# Altium PCB MB1297 revC1.PcbDoc (part 2 of 4)
Units mm, origin at the board's own origin, x right, y up, seen from the top; angles counter-clockwise.
Board outline 90.1 x 62.11 mm, 4 copper layers (Top Layer, GND, POWER+GND, Bottom Layer), stack 0.778 mm thick; 230 components, 175 nets, 1727 pads, 1 vias.
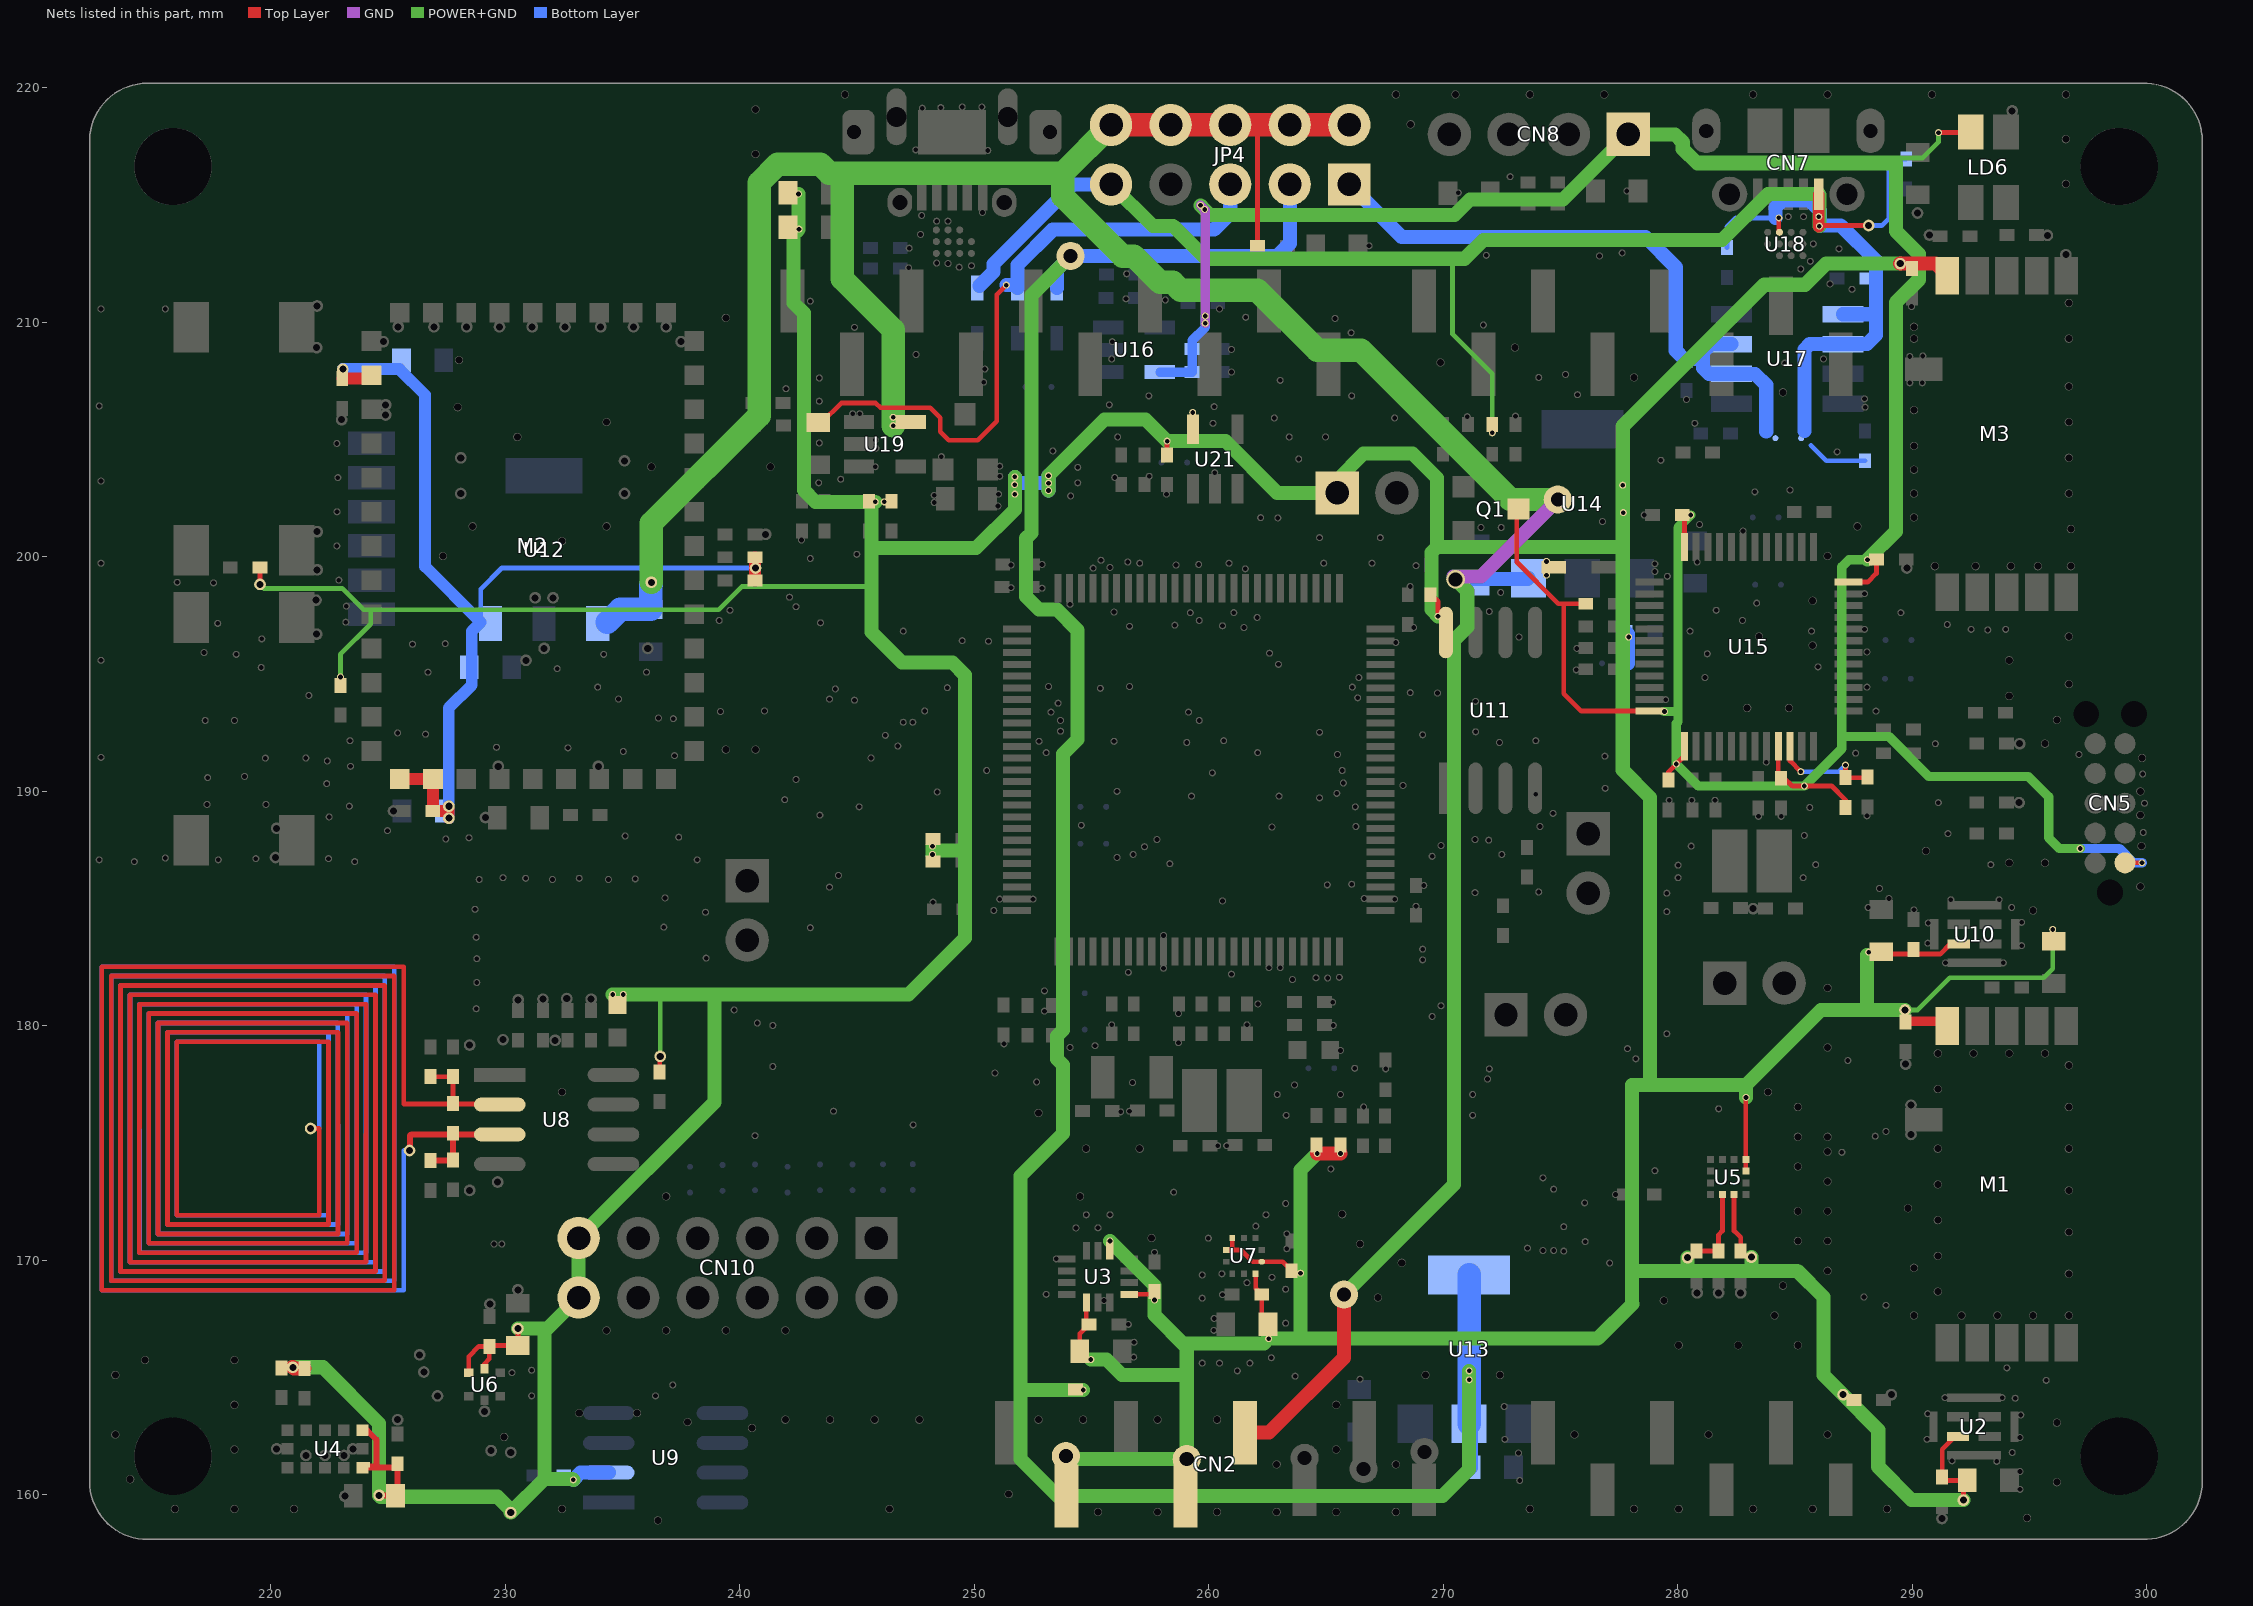
[diagram p4: the nets of this part, all layers, seen from the top]

## Free pads (board coordinates)
  round 0.3 hole 0.2 mask+0.05: 0(212.75,210.566) 0(232.893,160.63) 0(240.643,175.307) 0(247.747,214.554) 0(299.822,190.729) 1(215.494,210.566) 1(222.811,204.828) 1(247.384,175.768) 1(248.387,214.308) 1(299.847,188.239) 2(212.674,187.071) 2(222.853,203.371) 2(237.134,164.677) 2(243.992,176.352) 2(248.387,212.522) 2(299.796,186.944) 3(215.494,187.147) 3(222.818,201.914) 3(236.398,164.211) 3(279.933,191.16) 4(214.173,186.995) 4(222.809,200.457) 4(249.352,212.344) 4(285.394,190.221) 5(212.75,191.44) 5(222.894,199) 5(249.873,212.407) 5(279.476,193.904) 6(212.75,195.58) 6(223.215,197.891) 6(248.869,214.308) 6(287.96,198.425) 7(212.75,199.72) 7(223.19,197.206) 7(248.873,212.5) 7(287.96,196.901) 8(212.75,203.225) 8(247.701,213.741) 8(262.585,195.885) 8(283.769,191.237) 9(212.674,206.426) 9(255.397,199.847) 9(262.966,195.406) 9(288.087,199.873) 10(217.551,198.882) 10(255.778,199.542) 10(280.822,199.771) 11(216.002,198.907) 11(263.271,172.415) 11(278.562,201.778) 11(284.709,214.503) 12(217.729,197.155) 12(262.433,171.933) 12(280.543,201.778) 12(285.359,214.503) 13(217.297,190.576) 13(255.778,171.933) 13(282.778,201.092) 13(285.241,212.268) 14(218.872,190.627) 14(254.77,171.933) 14(284.782,202.842) 14(285.648,212.598) 15(217.195,193.015) 15(231.115,164.211) 15(275.692,196.088) 15(285.776,213.34) 16(218.44,193.015) 16(231.115,165.303) 16(275.666,195.174) 16(284.306,214.448) 17(217.145,195.91) 17(255.27,171.378) 17(286.009,214.503) 18(218.516,195.834) 18(254.33,171.374) 18(283.282,202.764) 18(286.034,214.097) 19(222.377,190.322) 19(251.358,211.582) 19(262.914,177.063) 19(289.966,210.668) 20(223.342,189.357) 20(245.11,206.096) 20(263.296,176.174) 20(286.791,204.47) 21(217.754,187.071) 21(248.285,202.616) 21(264.617,174.549) 21(292.506,196.901) 22(219.354,187.122) 22(248.285,202.311) 22(265.608,174.549) 22(293.218,196.875) 23(217.272,189.433) 23(253.06,168.541) 23(263.041,207.52) 23(293.98,196.901) 24(219.786,189.433) 24(262.056,197.409) 24(263.423,205.105) 25(222.479,188.9) 25(259.588,197.282) 25(263.83,204.165) 25(288.417,175.285) 26(222.453,187.122) 26(259.207,197.612) 27(223.571,186.995) 27(247.51,208.623) 27(253.263,193.37) 27(288.874,175.489) 28(228.879,186.233) 28(247.193,212.319) 28(253.67,193.015) 28(276.901,190.121) 29(228.752,180.721) 29(247.218,213.157) 29(259.588,193.015) 29(280.01,186.842) 30(228.778,181.839) 30(259.131,193.37) 30(263.563,181.966) 31(228.778,182.855) 31(262.077,191.643) 31(262.687,188.468) 31(293.345,186.868) 32(228.752,183.769) 32(253.06,191.643) 32(256.769,187.3) 32(285.877,186.868) 33(228.702,184.963) 33(234.569,181.331) 33(249.479,196.418) 33(274.117,188.493) 34(229.895,186.309) 34(235.026,181.331) 34(279.527,185.649) 35(230.861,186.284) 35(253.67,192.557) 35(261.214,165.278) 35(285.623,189.306) 36(232.004,186.233) 36(260.579,197.053) 36(262.09,180.924) 36(280.01,186.309) 37(233.147,186.284) 37(260.553,169.418) 37(260.629,192.151) 37(285.344,186.309) 38(234.391,186.233) 38(253.344,204.509) 38(261.62,169.037) 38(285.394,188.112) 39(235.534,186.258) 39(259.977,170.934) 39(280.568,187.655) 40(236.753,184.201) 40(261.493,196.977) 40(274.676,189.052) 41(236.804,185.445) 41(262.001,171.45) 41(279.425,193.396) 42(224.968,188.316) 42(263.906,169.443) 42(279.527,179.654) 43(227.457,187.96) 43(260.579,168.529) 43(263.652,177.47) 43(276.885,191.491) 43(277.851,179.019) 44(228.448,188.011) 44(260.223,167.513) 44(266.217,178.181) 44(278.206,178.587) 45(235.102,188.087) 45(260.21,167.005) 45(266.598,176.53) 45(281.635,197.714) 45(299.898,189.484) 46(237.388,188.036) 46(262.547,166.649) 46(267.538,178.156) 46(279.527,184.861) 46(297.104,191.567) 47(238.176,187.071) 47(252.984,181.483) 47(254.635,164.465) 47(271.348,185.674) 48(238.531,184.836) 48(254.965,165.76) 48(256.565,182.27) 49(238.557,182.88) 49(274.066,185.699) 50(239.751,180.67) 50(254.076,179.07) 50(256.807,166.497) 50(264.719,200.812) 50(283.362,198.018) 51(229.616,191.872) 51(255.143,179.146) 51(256.794,165.862) 51(264.897,199.72) 52(232.664,191.846) 52(256.565,167.259) 52(258.699,180.518) 52(271.932,187.909) 53(235.026,191.694) 53(256.083,187.173) 53(257.683,168.3) 53(272.491,187.3) 53(277.647,203.048) 54(237.211,191.516) 54(254.559,188.544) 54(257.683,170.332) 54(271.348,187.935) 54(277.673,201.879) 55(236.525,193.116) 55(255.524,168.275) 55(256.083,189.992) 55(272.44,198.476) 56(230.276,165.202) 56(237.16,193.091) 56(255.778,170.815) 57(229.845,170.688) 57(239.166,193.396) 57(243.002,184.175) 57(253.492,170.053) 57(271.704,209.88) 58(229.514,170.688) 58(240.741,180.111) 58(241.046,193.421) 58(266.09,206.858) 58(269.748,194.183) 59(236.017,195.072) 59(241.402,180.01) 59(266.827,213.258) 59(269.113,192.405) 59(289.89,208.534) 60(232.207,195.224) 60(241.402,178.257) 60(268.586,194.202) 60(290.449,208.559) 61(234.188,195.834) 61(266.624,185.42) 61(272.39,192.075) 61(289.89,207.416) 62(226.695,195.072) 62(267.919,185.395) 62(271.374,192.532) 62(290.424,207.416) 63(227.432,196.291) 63(258.14,210.947) 63(268.834,185.09) 63(271.372,193.829) 63(280.365,206.705) 64(226.035,196.266) 64(256.489,212.065) 64(269.164,185.979) 64(273.939,192.151) 64(280.721,205.689) 65(219.761,191.409) 65(256.464,210.998) 65(260.147,190.779) 65(273.939,189.865) 65(287.96,206.731) 66(221.488,191.414) 66(260.96,208.839) 66(263.042,182.474) 66(271.958,197.663) 66(287.985,206.375) 67(221.615,194.081) 67(260.96,207.874) 67(269.773,197.46) 67(284.556,208.255) 68(219.583,195.275) 68(268.732,196.977) 68(275.209,207.772) 69(219.608,196.494) 69(262.56,182.474) 69(267.97,196.342) 69(271.831,212.852) 69(286.207,208.432) 70(222.402,191.287) 70(264.566,182.042) 70(272.618,162.357) 70(276.657,212.827) 70(288.061,195.936) 71(223.393,191.059) 71(265.063,182.03) 71(272.593,163.754) 71(279.552,199.164) 71(288.061,194.437) 72(223.368,192.151) 72(265.563,182.062) 72(273.202,161.773) 72(291.118,218.084) 72(291.516,188.189) 73(225.4,192.481) 73(257.251,187.63) 73(273.253,160.604) 73(297.155,187.554) 74(226.593,192.43) 74(272.466,201.244) 74(286.868,213.131) 74(291.109,189.509) 75(255.372,194.386) 75(265.379,210.16) 75(271.602,201.244) 75(275.133,171.425) 75(290.982,192.024) 76(253.162,194.462) 76(253.162,202.819) 76(266.954,199.72) 76(275.133,170.383) 76(288.112,185.039) 77(253.162,203.454) 77(272.847,216.205) 77(274.245,170.409) 77(289.001,185.42) 78(253.162,203.136) 78(274.701,170.409) 78(290.068,184.937) 79(251.723,203.403) 79(276.047,170.79) 79(288.138,183.134) 80(251.714,203.073) 80(276.022,172.441) 80(290.678,184.379) 81(251.723,202.667) 81(266.065,209.55) 81(274.245,173.506) 81(290.659,183.515) 82(247.777,219.126) 82(274.701,173.025) 82(291.643,185.369) 83(222.961,194.869) 83(248.564,219.151) 83(257.785,187.936) 83(293.7,185.369) 84(250.317,219.177) 84(258.33,186.906) 84(294.659,184.404) 85(250.571,217.322) 85(265.049,186.004) 85(277.622,212.954) 85(294.659,183.413) 86(247.498,217.348) 86(266.09,186.03) 86(279.274,204.11) 86(291.414,182.677) 87(249.479,219.177) 87(269.519,187.223) 87(293.878,182.677) 88(250.342,214.681) 88(269.9,187.681) 88(295.986,184.099) 89(250.444,208.001) 89(269.519,180.391) 89(291.389,164.135) 90(250.393,207.442) 90(269.9,180.848) 90(293.827,164.135) 91(269.113,183.261) 91(279.019,173.812) 91(294.625,163.398) 92(269.113,182.804) 92(281.737,176.454) 92(294.589,162.433) 93(251.257,179.222) 93(253.568,193.751) 94(252.984,180.619) 94(294.259,161.798) 95(250.596,196.393) 95(256.743,177.571) 95(290.652,163.449) 96(290.627,162.357) 97(252.652,177.597) 97(254.076,197.968) 97(291.694,161.442) 98(293.599,161.417) 99(255.063,199.513) 99(294.589,160.985) 100(294.589,160.223) 101(242.113,198.272) 101(266.446,164.922) 102(242.392,197.866) 102(287.579,191.618) 103(242.392,190.5) 103(288.449,193.414) 104(241.91,189.636) 104(287.147,191.11) 105(263.271,168.758) 105(285.242,190.83) 106(243.408,188.976) 106(263.271,167.31) 106(288.061,188.951) 107(243.434,197.18) 107(262.687,169.266) 107(283.439,188.925) 108(245.085,189.332) 108(259.715,169.367) 108(284.404,188.925) 109(248.412,189.967) 109(259.715,168.377) 109(281.584,189.611) 110(244.881,209.779) 110(259.715,165.608) 110(280.594,189.611) 111(243.002,210.896) 111(260.452,165.608) 111(279.629,189.611) 112(245.77,202.336) 112(258.064,183.845) 112(261.747,165.608) 113(246.151,202.336) 113(258.064,182.448) 113(262.661,165.837) 114(242.621,200.711) 114(263.677,165.049) 115(243.002,199.923) 115(260.96,182.194) 115(265.278,181) 116(246.532,205.943) 116(260.579,185.318) 116(265.303,180.01) 117(246.532,205.588) 117(262.992,189.789) 117(265.608,178.943) 118(245.77,204.978) 118(259.258,189.789) 119(245.796,204.622) 119(259.055,192.075) 119(261.62,180.035) 120(258.597,199.644) 120(258.699,179.273) 121(245.77,203.835) 121(255.854,180.035) 121(259.563,199.669) 122(251.079,203.429) 122(260.375,174.879) 122(262.941,201.651) 123(251.079,203.86) 123(254.406,203.81) 123(260.756,174.879) 124(251.028,202.667) 124(254.406,203.149) 124(256.235,176.327) 125(251.003,202.159) 125(255.753,206.477) 125(256.616,176.352) 126(244.805,206.096) 126(260.172,205.689) 126(270.637,215.519) 127(251.562,199.644) 127(260.223,206.4) 127(277.825,215.595) 128(242.494,215.468) 128(251.562,198.679) 128(261.569,210.21) 129(242.519,213.97) 129(243.383,207.62) 129(252.882,199.669) 130(243.383,206.629) 130(247.371,192.938) 130(252.882,198.656) 131(243.383,204.851) 131(246.202,192.38) 131(262.204,201.663) 132(243.357,203.149) 132(246.736,191.922) 132(261.553,199.482) 133(244.983,200.101) 133(245.593,191.414) 133(266.243,189.332) 134(244.881,193.878) 134(266.268,188.493) 135(250.825,184.912) 135(265.735,190.348) 136(251.079,185.395) 136(265.684,190.881) 137(252.501,185.395) 137(266.395,194.843) 138(266.116,194.437) 139(266.344,193.98) 140(248.209,187.3) 140(265.455,189.906) 141(248.209,187.655) 141(265.481,191.567) 142(248.234,185.268) 143(247.879,193.421) 143(268.58,198.73) 144(241.96,207.162) 144(248.844,194.412) 145(244.2,186.406) 145(244.297,203.302) 146(243.818,185.906) 146(248.59,204.267) 147(244.069,194.361) 148(243.818,193.925) 149(239.116,197.282) 149(277.343,172.796) 150(239.573,197.714) 150(282.905,176.936) 151(271.247,176.174) 152(246.964,192.938) 152(271.247,177.063) 153(233.934,194.437) 153(265.608,177.063) 154(234.823,193.929) 155(246.964,196.825) 155(258.547,197.079) 156(250.52,190.881) 156(258.496,172.898) 157(273.583,170.51) 159(277.089,169.875) 160(291.49,197.104) 161(288.874,168.072) 162(295.707,164.871) 163(294.03,165.405) 164(287.934,168.427) 165(294.386,164.109) 166(294.234,185.039) 167(286.995,174.6) 168(288.595,185.852) 169(287.249,178.511) 171(257.438,206.858) 172(257.454,203.429) 173(258.191,202.667) 174(259.309,206.146) 175(260.248,203.581) 177(258.216,204.927) 179(257.048,199.72) 180(256.54,199.771) 181(256.108,205.105)
  round 3.3 hole 3.3 unplated mask+0.05: 0(215.819,161.64) 0(215.819,216.64) 0(298.819,161.64) 0(298.819,216.64)
  round 0.5 hole 0.3 mask+0.05: 0(225.908,174.676) 0(229.387,161.874) 0(288.138,214.122) 1(221.691,175.614) 1(230.226,161.798) 1(290.22,214.655) 2(229.337,168.123) 2(230.53,168.732) 3(229.146,188.874) 4(227.584,189.357) 4(230.226,159.233) 5(223.152,159.931) 5(227.584,188.849) 6(224.612,159.969) 6(231.648,196.088) 7(223.491,161.95) 7(231.267,198.247) 8(223.114,161.671) 8(232.029,198.247) 9(222.301,161.671) 9(228.092,204.216) 10(221.488,161.671) 10(228.092,202.692) 11(220.243,161.95) 11(235.077,204.089) 12(225.4,163.195) 12(235.077,202.692) 13(220.929,165.43) 14(227.101,164.211) 15(229.108,163.551) 15(236.22,198.907) 16(224.79,209.169) 16(230.53,167.081) 17(225.425,209.804) 17(226.517,165.227) 18(226.339,165.964) 18(226.949,209.804) 19(228.346,209.804) 20(229.743,209.804) 21(231.14,209.804) 22(232.537,209.804) 23(234.061,209.804) 24(228.473,179.172) 24(235.458,209.804) 25(228.473,172.974) 25(236.855,209.804) 26(229.667,173.33) 26(237.49,209.169) 27(230.543,181.102) 27(240.665,199.517) 28(231.597,181.127) 28(241.097,200.952) 29(232.613,181.153) 30(233.655,181.127) 31(232.118,179.375) 32(229.895,179.4) 33(236.601,178.689) 37(292.176,159.766) 39(291.262,158.979) 44(287.045,164.262) 45(289.103,164.262) 50(294.577,192.024) 51(294.551,189.509) 54(289.687,180.67) 56(289.941,176.606) 57(289.941,175.362) 58(289.712,178.359) 68(283.134,170.129) 69(280.416,170.104) 70(280.822,168.605) 71(281.737,168.605) 72(282.677,168.605) 81(289.763,199.517) 82(283.21,184.988) 83(223.063,208.001) 84(223.012,205.842) 85(224.892,206.477) 86(224.892,206.045) 87(219.532,198.819) 88(230.873,195.58) 89(236.068,196.088) 91(225.222,189.154) 92(229.692,191.059) 93(233.959,191.059) 94(220.243,188.417) 95(220.193,187.173) 96(221.92,198.145) 97(221.945,196.698) 98(221.971,201.066) 99(221.971,199.441) 100(221.971,210.693) 101(221.945,208.915) 107(294.259,219.011) 108(296.545,212.877) 109(289.484,212.496) 110(290.728,213.716) 111(295.758,213.703)
  round 1.2 hole 0.6 mask+0.05: 48(253.897,161.645) 48(254.102,212.827) 48(259.054,161.518) 48(264.083,161.568) 48(265.76,168.529) 48(266.597,161.086) 48(269.189,161.823) 48(274.879,202.438)
  round 0.8 hole 0.6 mask+0.05: 48(270.521,199.034)
  round 0.3 hole 0.2 mask-0.01: 182(271.098,165.278) 183(271.098,164.897) 184(256.616,197.028) 186(264.719,189.713) 187(264.719,192.507) 191(255.956,197.637) 192(255.956,192.126) 193(256.616,194.462) 194(252.755,192.126) 195(271.958,178.156) 196(265.201,173.888) 197(250.875,177.978) 198(261.063,197.613) 199(271.882,177.724) 202(260.858,199.72) 203(262.788,205.918) 204(267.919,205.918) 205(274.396,199.212) 206(274.396,199.796) 207(272.085,205.283) 208(259.639,214.986) 209(259.817,214.808) 210(259.842,210.261) 211(259.842,209.956) 212(254.102,202.59) 213(264.973,205.105) 215(276.784,201.498) 216(282.753,197.282) 217(280.924,201.371) 218(279.019,199.695) 219(279.019,199.365) 221(277.901,196.571) 222(280.518,196.825) 223(275.717,206.908) 224(274.066,207.645) 225(271.018,205.969) 226(273.075,205.994) 228(273.228,196.571) 229(268.276,190.245) 230(268.834,199.619) 231(260.452,210.566) 232(255.88,209.169) 233(255.854,208.432) 234(263.322,171.12) 235(263.322,170.485) 236(255.981,203.378) 237(286.487,211.633) 238(287.426,211.404) 239(281.153,194.843) 241(285.979,195.301) 244(267.31,200.812) 245(289.509,197.612) 246(285.699,196.825) 247(281.254,195.859)
  round 0.35 hole 0.3 mask-0.01: 249(296.672,207.264) 250(296.672,209.296) 251(296.672,210.82) 252(296.672,205.74) 253(296.672,204.216) 254(296.672,202.692) 255(296.759,201.179) 256(296.759,199.593) 257(295.351,199.593) 258(294.198,199.593) 259(292.699,199.593) 260(290.957,199.593) 261(290.068,201.676) 262(290.068,202.692) 263(290.068,203.708) 264(290.068,204.724) 265(290.068,206.248) 266(290.068,209.296) 267(290.068,209.804) 268(296.672,196.596) 269(296.672,194.564) 270(294.132,195.58) 271(294.132,194.056) 272(296.164,193.04) 273(295.656,192.024) 274(295.656,186.944) 275(294.132,186.944) 276(290.576,187.452) 277(295.148,184.912) 278(299.72,185.928) 279(299.72,188.976) 280(299.72,189.992) 281(299.796,191.414) 282(299.771,187.655) 283(296.672,178.308) 284(296.672,176.53) 285(296.672,174.752) 286(296.672,172.974) 287(296.672,171.196) 288(296.672,167.64) 289(296.672,169.418) 290(291.084,178.816) 291(291.084,177.292) 292(291.084,174.752) 293(291.084,173.228) 294(291.084,171.704) 295(291.084,170.18) 296(291.084,168.656) 297(292.1,167.64) 298(293.624,167.64) 299(295.148,167.64) 300(292.608,178.816) 301(294.132,178.816) 302(295.656,178.816) 303(289.814,172.212) 304(290.068,169.672) 305(290.068,167.64) 306(286.385,169.545) 307(286.385,170.815) 308(286.385,172.085) 309(286.385,173.355) 310(286.385,174.625) 311(283.845,177.165) 312(285.115,176.53) 313(286.385,175.26) 314(285.115,175.26) 315(285.115,173.99) 316(285.115,172.085) 317(285.115,170.815) 318(284.48,168.91) 319(284.124,167.64) 320(285.115,166.37) 321(286.385,179.07) 322(286.385,181.61) 327(240.665,219.075) 328(244.475,219.71) 329(240.665,217.17) 330(296.545,219.71) 331(290.83,219.71) 332(296.545,217.805) 333(296.545,215.9) 334(267.97,219.71) 335(268.605,218.44) 336(270.51,219.71) 337(273.685,219.71) 338(276.86,219.71) 339(283.21,219.71) 340(286.385,219.71) 341(273.05,208.915) 342(269.875,208.28) 343(278.13,207.645) 344(284.48,207.01) 345(287.655,201.295) 346(286.385,200.025) 347(285.75,198.12) 348(285.75,196.215) 349(281.305,162.56) 350(283.21,159.385) 351(285.75,159.385) 352(280.035,159.385) 353(278.13,159.385) 354(273.685,159.385) 355(267.97,159.258) 356(265.43,159.258) 357(262.89,159.258) 358(260.35,159.258) 359(257.81,159.258) 360(255.27,159.258) 361(275.59,162.56) 362(265.43,161.925) 363(262.89,161.29) 364(267.97,161.29) 365(269.24,165.1) 366(272.415,165.1) 367(280.035,166.37) 368(282.575,166.37) 369(279.4,168.275) 370(286.385,162.56) 371(288.925,159.385) 372(257.81,163.195) 373(260.35,163.195) 374(254.635,163.195) 375(252.73,163.195) 376(265.43,163.83) 377(251.46,160.02) 378(247.65,163.195) 379(246.38,159.385) 380(236.499,158.902) 381(232.41,159.385) 382(229.946,162.458) 383(220.98,159.385) 384(218.44,159.385) 385(215.9,159.385) 386(213.995,160.655) 387(213.36,162.56) 388(213.36,165.1) 389(214.63,165.735) 390(218.44,165.735) 391(218.44,163.83) 392(218.44,161.925) 393(233.147,163.474) 394(235.61,163.474) 395(237.769,163.093) 396(240.513,162.839) 397(241.935,163.195) 398(243.84,163.195) 399(245.745,163.195) 400(234.315,167.005) 401(236.855,167.005) 402(239.395,167.005) 403(241.935,167.005) 404(232.41,177.165) 405(236.855,172.72) 406(227.965,206.375) 407(230.505,205.105) 408(234.315,205.74) 409(241.3,203.835) 410(236.22,203.835) 411(227.33,200.025) 412(228.6,201.295) 413(232.41,200.66) 414(234.315,201.295) 415(240.665,191.77) 416(239.395,191.77) 417(228.016,208.382) 418(239.395,210.185) 420(252.73,176.276) 421(257.556,170.942) 422(257.048,174.752) 423(254.762,174.752) 424(254.508,172.72) 425(265.684,171.958) 426(266.446,170.688) 427(268.224,169.885) 428(267.208,168.402) 429(296.164,163.068) 430(296.164,160.528) 431(294.894,159.004) 432(282.956,193.548) 433(284.734,193.548) 434(283.464,196.596)

## Via types
v1: diameter 0.4, hole 0.2, Top Layer to Bottom Layer, tented both sides, 1 vias

## Nets (pads, with @x,y where several pads share a name; then routed paths per layer and width w, separated by ;. In a path a pad name is that pad's centre, name@x,y a point inside that pad or via, vN(x,y) a via of type N, cw(c..) or ccw(c..) an arc to the next point about the centre after c; other vN are vias at no path point)
3V3: C16.1 C17.2 C18.1 C19.1 C20.1 C21.1 C22.1 C24.1 C25.1 C26.1 C27.1 C28.1 C29.1 C30.1 C31.1 C33.1 C42.1 C43.1 C45.1 C46.1 C48.1 C73.1 C74.1 CN2.2 CN2.4 CN10.6 CN10.12 JP5.1 L2.2 LD4.A LD8.A LD9.A M1.5 M3.5 pad.0@232.893,160.63 pad.4@230.226,159.233 pad.6@224.612,159.969 pad.13@220.929,165.43 pad.16@230.53,167.081 pad.21@264.617,174.549 pad.22@265.608,174.549 pad.33@234.569,181.331 pad.33@236.601,178.689 pad.34@235.026,181.331 pad.37@292.176,159.766 pad.42@263.906,169.443 pad.44@287.045,164.262 pad.46@262.547,166.649 pad.48@253.897,161.645 pad.48@254.965,165.76 pad.48@259.054,161.518 pad.53@257.683,168.3 pad.53@277.647,203.048 pad.54@277.673,201.879 pad.54@289.687,180.67 pad.56@255.778,170.815 pad.67@269.773,197.46 pad.68@283.134,170.129 pad.69@280.416,170.104 pad.76@253.162,202.819 pad.77@253.162,203.454 pad.78@253.162,203.136 pad.79@251.723,203.403 pad.79@288.138,183.134 pad.80@251.714,203.073 pad.81@251.723,202.667 pad.83@222.961,194.869 pad.87@219.532,198.819 pad.88@295.986,184.099 pad.109@289.484,212.496 pad.112@245.77,202.336 pad.113@246.151,202.336 pad.128@242.494,215.468 pad.129@242.519,213.97 pad.140@248.209,187.3 pad.141@248.209,187.655 pad.150@282.905,176.936 pad.174 pad.177 pad.221 R4.1 R8.1 R9.1 R10.1 R11.1 R14.1 R15.1 R23.2 R26.2 R58.1 R62.1 R67.1 SB4.2 U2.1 U3.5 U3.8 U3.12 U4.1 U4.11 U5.5 U5.6 U5.9 U5.10 U6.1 U6.6 U7.1 U7.5 U7.6 U7.10 U9.2 U10.1 U11.8 U21.5 | length 377.1
  Top Layer w0.204: pad.87@219.532,198.819 R23.2@219.532,199.542 ; U6.1@228.433,165.194 228.433,165.886 228.867,166.319 C28.1@229.311,166.319 ; U6.6@229.108,165.369 229.108,165.583 229.311,165.786 C28.1@229.311,166.319 ; pad.16@230.53,167.081 C27.1@230.53,166.357 229.349,166.357 C28.1@229.311,166.319 ; R4.1@236.576,178.029 pad.33@236.576,178.664 ; C18.1@254.495,166.116 254.495,166.865 C19.1@254.889,167.259 254.77,167.378 U3.5@254.77,168.191 ; U3.8@256.6,168.541 257.568,168.541 C20.1@257.683,168.656 ; C73.1@258.216,204.343 pad.177@258.216,204.927 ; U7.6@260.73,170.43 260.981,170.43 ; U7.5@260.993,170.943 260.993,170.442 261.001,170.434 261.366,170.434 261.87,169.93 U7.1@262.256,169.93 263.14,169.93 C31.1@263.525,169.545 ; U7.10@261.993,169.417 261.993,168.791 C29.1@262.255,168.529 262.255,167.526 C30.1@262.522,167.259 ; C48.1@269.469,198.399 269.773,198.095 pad.67@269.773,197.46 ; U11.8@270.104,195.871 270.104,197.409 U11.8@270.154,197.46 ; C24.1@280.797,170.383 C25.1@281.737,170.383 281.737,171.086 281.897,171.247 U5.5@281.897,172.795 ; U5.6@282.397,172.795 282.397,171.247 282.677,170.967 C26.1@282.677,170.383 ; U5.9@282.897,173.795 U5.10@282.897,174.295 282.897,176.928 pad.150@282.905,176.936 ; C46.1@288.671,183.147 288.765,183.052 291.193,183.052 291.622,183.481 U10.1@291.984,183.481 ; C43.1@289.712,180.162 C43.1@289.738,180.188 ; M1.5@291.186,180.188 291.389,179.984 M1.5@291.49,179.984 ; U2.1@291.95,162.477 291.812,162.477 291.271,161.937 291.271,160.766 C17.2@291.262,160.757 291.414,160.604 292.189,160.604 292.176,160.592 pad.37@292.176,159.766
  Top Layer w0.254: U4.11@223.901,162.75 224.092,162.75 224.501,162.341 224.501,161.198 223.949,161.198 U4.1@223.901,161.15 225.235,161.15 C22.1@225.4,161.315 225.4,160.033 C21.1@225.311,159.944 ; pad.6@224.612,159.969 C21.1@225.285,159.969
  Top Layer w0.4: C43.1@289.738,180.188 M1.5@291.186,180.188
  Top Layer w0.6: pad.13@220.929,165.43 220.98,165.379 R14.1@221.437,165.379 ; pad.21@264.617,174.549 pad.22@265.608,174.549 ; pad.109@289.484,212.496 290.982,212.496 M3.5@291.49,211.988
  POWER+GND w0.204: pad.87@219.532,198.819 219.705,198.646 223.041,198.646 223.948,197.739 224.257,197.739 ; pad.83@222.961,194.869 222.961,195.834 224.257,197.129 224.257,197.739 ; 236.576,181.305 236.601,181.28 pad.33@236.601,178.689 ; 245.61,198.755 245.585,198.73 240.088,198.73 239.098,197.739 224.257,197.739 ; 245.72,200.363 pad.112@245.72,202.286 ; 259.232,204.927 259.309,205.003 pad.174@259.309,206.146 ; pad.54@289.687,180.67 290.22,180.67 291.592,182.042 295.605,182.042 295.986,182.423 pad.88@295.986,184.099
  POWER+GND w0.6: pad.13@220.929,165.43 222.221,165.43 224.612,163.039 pad.6@224.612,159.969 224.671,159.91 229.663,159.91 230.226,159.347 pad.4@230.226,159.233 231.667,160.674 ; pad.16@230.53,167.081 231.8,167.081 ; pad.0@232.893,160.63 232.849,160.674 231.667,160.674 ; pad.33@234.569,181.331 pad.34@235.026,181.331 238.912,181.331 ; pad.128@242.494,215.468 242.494,213.944 242.291,213.741 242.291,210.827 242.722,210.395 242.722,202.844 243.23,202.336 pad.112@245.77,202.336 245.72,202.286 245.61,202.176 245.61,198.755 245.61,196.782 246.913,195.478 249.072,195.478 249.606,194.945 249.606,187.477 ; 245.72,200.363 250.071,200.363 251.723,202.015 pad.81@251.723,202.667 pad.79@251.723,203.403 ; pad.140@248.209,187.3 pad.141@248.209,187.655 248.387,187.477 249.606,187.477 ; pad.76@253.162,202.819 pad.78@253.162,203.136 pad.77@253.162,203.454 255.549,205.842 257.302,205.842 pad.177@258.216,204.927 259.232,204.927 260.706,204.927 262.915,202.717 JP5.1@265.477,202.717 265.477,203.272 266.598,204.394 268.681,204.394 269.723,203.352 269.723,200.41 ; pad.48@253.897,161.645 254.024,161.518 pad.48@259.054,161.518 259.054,165.1 ; pad.48@254.965,165.76 255.626,165.76 256.286,165.1 259.054,165.1 ; pad.56@255.778,170.815 257.683,168.91 pad.53@257.683,168.3 257.683,167.652 259.054,166.281 ; 264.033,166.649 276.581,166.649 278.066,168.135 ; pad.21@264.617,174.549 263.906,173.838 pad.42@263.906,169.443 263.906,166.649 pad.46@262.547,166.649 262.351,166.453 259.054,166.453 259.054,165.1 ; pad.67@269.773,197.46 269.494,197.739 269.494,200.182 269.723,200.41 ; 278.046,168.156 278.046,177.462 278.816,177.462 ; 278.097,169.545 283.134,169.545 ; 280.416,169.596 pad.69@280.416,170.104 ; pad.150@282.905,176.936 282.897,177.462 ; pad.68@283.134,170.129 283.134,169.545 ; pad.79@288.061,183.007 288.061,180.67 ; pad.109@289.484,212.496 286.327,212.496 285.428,211.597 283.683,211.597 277.647,205.562 pad.53@277.647,203.048 277.647,200.41 ; pad.54@289.687,180.67 288.061,180.67 ; pad.37@292.176,159.766 289.966,159.766 288.544,161.188 288.544,162.763 pad.44@287.045,164.262 286.207,165.1 286.207,168.427 285.09,169.545 283.134,169.545 ; 231.667,160.674 231.667,166.947 231.8,167.081 ; 231.8,167.081 CN10.12@233.121,168.402 CN10.6@233.121,170.942 238.912,176.733 238.912,181.331 ; 238.912,181.331 247.193,181.331 249.606,183.744 249.606,187.477 ; 269.723,200.41 277.647,200.41 ; 277.647,200.41 277.647,190.906 278.816,189.738 278.816,177.462 ; 278.816,177.462 282.897,177.462 ; 282.897,177.462 286.106,180.67 288.061,180.67
  Bottom Layer w0.6: pad.0@232.893,160.63 233.197,160.934 U9.2@234.405,160.934 ; pad.81@251.723,202.667 pad.79@251.723,203.403 ; pad.80@251.787,203.136 pad.78@253.162,203.136 ; pad.76@253.162,202.819 pad.78@253.162,203.136 ; pad.77@253.162,203.454 pad.78@253.162,203.136 ; C42.1@277.749,196.825 277.866,196.707 SB4.2@277.866,195.453
3V3_ST_LINK: C55.1 C59.1 C60.1 C61.1 C62.1 C63.1 CN5.1 CN8.1 LD6.4 pad.2@299.796,186.944 pad.3@279.933,191.16 pad.4@285.394,190.221 pad.9@288.087,199.873 pad.12@280.543,201.778 pad.41@279.425,193.396 pad.72@291.118,218.084 pad.73@297.155,187.554 pad.208 pad.209 pad.210 pad.211 Q1.3 R30.1 R40.2 U15.1 U15.9 U15.24 U15.36 U15.48 U16.5 | length 140.3
  Top Layer w0.204: Q1.3@273.202,202.032 273.124,201.954 273.124,199.773 274.904,197.993 275.133,197.993 ; R30.1@276.073,197.993 275.133,197.993 ; U15.48@278.782,193.414 275.876,193.414 275.133,194.158 275.133,197.993 ; C60.1@279.603,190.475 279.603,190.83 280.282,191.509 U15.1@280.282,191.914 ; U15.36@280.282,200.414 C63.1@280.282,201.683 ; U15.9@284.282,191.914 284.282,190.66 C61.1@284.391,190.551 284.543,190.551 284.874,190.221 pad.4@285.394,190.221 286.563,190.221 287.147,189.636 R40.2@287.147,189.306 ; U15.24@287.282,198.914 288.094,198.914 288.468,199.288 C62.1@288.468,199.873 ; pad.72@291.118,218.084 LD6.4@292.52,218.084 ; CN5.1@299.068,186.944 pad.2@299.796,186.944
  GND w0.4: pad.208@259.639,214.986 pad.209@259.817,214.808 259.842,214.782 pad.210@259.842,210.261 pad.211@259.842,209.956
  POWER+GND w0.204: 280.876,217.004 290.436,217.004 291.118,217.686 pad.72@291.118,218.084
  POWER+GND w0.4: pad.41@279.425,193.396 280.004,193.396 ; 279.933,192.888 pad.3@279.933,191.16 280.873,190.221 pad.4@285.394,190.221 286.995,191.821 286.995,192.329 ; 280.004,192.959 280.004,193.396 ; pad.12@280.543,201.778 280.004,201.239 280.004,193.396 ; pad.9@288.087,199.873 287.299,199.873 286.995,199.568 286.995,192.329 ; pad.73@297.155,187.554 296.266,187.554 295.808,188.011 295.808,189.763 294.945,190.627 290.703,190.627 289.001,192.329 286.995,192.329
  POWER+GND w0.6: pad.208@259.639,214.986 pad.209@259.817,214.808 260.052,214.573 270.471,214.573 271.138,215.24 275.107,215.24 CN8.1@277.876,218.008 279.872,218.008 280.207,217.673 280.207,217.393 280.836,216.764 289.293,216.764 289.293,213.881 290.271,212.903 290.271,211.811 289.293,210.833 289.293,201.079 pad.9@288.087,199.873
  Bottom Layer w0.4: U16.5@257.912,207.867 259.277,207.867 C55.1@259.283,207.874 C59.1@259.283,208.864 259.283,209.22 259.842,209.779 pad.211@259.842,209.956 pad.210@259.842,210.261 ; pad.73@297.155,187.554 298.831,187.554 299.441,186.944 pad.2@299.796,186.944
3V3_WIFI: C44.1 C47.1 C50.1 C75.1 C76.1 M2.2 M2.14 M2.15 pad.4@227.584,189.357 pad.5@227.584,188.849 pad.27@240.665,199.517 pad.83@223.063,208.001 R65.2 R66.2 U12.3 | length 43.3
  Top Layer w0.5: C44.1@223.037,207.594 224.138,207.594 M2.2@224.285,207.742 ; M2.14@225.485,190.515 M2.15@226.905,190.515 C47.1@226.905,189.154 ; C47.1@226.898,189.154 C47.1@226.905,189.154 ; pad.4@227.533,189.154 C47.1@226.905,189.154 ; pad.5@227.584,188.849 pad.4@227.584,189.357 ; R66.2@240.64,198.984 R65.2@240.64,199.974
  Bottom Layer w0.204: U12.3@228.948,197.204 228.948,198.62 229.845,199.517 pad.27@240.665,199.517
  Bottom Layer w0.5: pad.83@223.063,208.001 225.476,208.001 226.568,206.908 226.568,199.584 228.948,197.204 228.562,196.818 228.562,195.504 228.562,194.526 227.584,193.548 pad.4@227.584,189.357 pad.5@227.584,188.849
5V: C40.1 C49.1 CN2.5 D2.1 JP4.2 JP4.4 JP4.6 JP4.8 JP4.10 pad.15@236.22,198.907 pad.48@265.76,168.529 pad.48@270.521,199.034 pad.48@274.879,202.438 pad.116@246.532,205.943 pad.117@246.532,205.588 pad.205 pad.206 R25.1 U12.1 U14.3 U19.5 | length 143.2
  Top Layer w0.204: R25.1@262.077,213.258 262.077,218.364 262.128,218.415
  Top Layer w0.6: CN2.5@261.545,162.642 262.566,162.642 265.76,165.837 pad.48@265.76,168.529
  Top Layer w1: JP4.10@255.829,218.415 JP4.8@258.369,218.415 JP4.6@260.909,218.415 262.128,218.415 JP4.4@263.449,218.415 JP4.2@265.989,218.415
  GND w0.6: pad.48@270.521,199.034 270.429,199.161 271.602,199.161 pad.48@274.879,202.438
  POWER+GND w0.6: pad.48@265.76,168.529 270.452,173.221 270.452,196.437 271.018,197.002 271.018,198.537 pad.48@270.476,199.079
  POWER+GND w1: pad.15@236.22,198.907 236.22,201.422 240.817,206.019 240.817,215.951 241.605,216.738 243.434,216.738 243.814,216.358 244.361,216.358 ; pad.117@246.532,205.588 pad.116@246.532,205.943 246.532,209.677 244.361,211.849 244.361,216.358 ; JP4.10@255.829,218.415 253.772,216.358 ; pad.48@274.879,202.438 272.847,202.438 266.487,208.798 264.627,208.798 262.072,211.353 258.797,211.353 258.452,211.699 257.918,211.699 256.801,212.817 256.321,212.817 253.772,215.366 253.772,216.358 ; 244.361,216.358 253.772,216.358
  Bottom Layer w0.6: pad.48@270.521,199.034 272.202,199.057 272.212,199.047 273.586,199.047 U14.3@273.624,199.085
  Bottom Layer w1: U12.1@234.348,197.204 234.895,197.752 C49.1@236.195,197.752 236.195,198.788 pad.15@236.22,198.813
5V_ARD: C39.1 D3.1 JP4.3 pad.47@254.635,164.465 pad.48@254.102,212.827 pad.182 pad.183 R3.1 U13.2 U13.4 | length 103.6
  POWER+GND w0.6: pad.48@254.102,212.827 252.425,211.15 252.425,201.016 252.197,200.787 252.197,198.298 252.755,197.739 253.524,197.739 254.4,196.864 254.4,192.202 253.778,191.58 253.778,179.807 253.524,179.553 253.524,178.581 253.778,178.327 253.778,175.394 251.968,173.584 251.968,164.389 ; pad.47@254.635,164.465 252.044,164.465 251.968,164.389 ; pad.182@271.098,165.278 271.098,161.078 269.964,159.944 253.543,159.944 251.968,161.519 251.968,164.389
  Bottom Layer w0.6: D3.1@253.517,211.458 253.517,212.242 pad.48@254.102,212.827 262.915,212.827 263.449,213.36 JP4.3@263.449,215.875 ; C39.1@271.183,161.163 U13.2@271.183,162.933
  Bottom Layer w1: U13.2@271.098,163.017 U13.4@271.098,169.367
5V_ST_LINK: C65.1 JP4.1 SB11.1 U17.6 U17.7 | length 27.3
  Bottom Layer w0.6: JP4.1@265.989,215.875 268.224,213.639 278.613,213.639 279.908,212.344 279.908,208.788 280.264,208.432 281.076,208.432 ; U17.7@282.283,209.067 281.407,209.067 281.076,208.737 281.076,208.432 ; 283.769,205.334 283.769,207.315 283.286,207.797 U17.6@282.283,207.797 281.33,207.797 281.076,208.051 281.076,208.432
5V_USB_CHARGER: C64.1 CN7.1 D4.1 JP4.9 pad.0@288.138,214.122 pad.16@284.306,214.448 pad.17@286.009,214.503 pad.18@286.034,214.097 pad.207 R48.1 R49.2 R51.2 R52.2 SB11.2 U17.1 U17.2 U18.B3 | length 81.2
  Top Layer w0.204: U18.B3@284.306,213.835 pad.16@284.306,214.448 ; pad.18@286.009,214.071 pad.18@286.034,214.097 286.059,214.122 pad.0@288.138,214.122
  Top Layer w0.5: pad.18@286.009,214.071 pad.17@286.009,214.503 CN7.1@286.009,215.458
  POWER+GND w0.204: 270.383,212.706 270.383,209.499 272.085,207.797 pad.207@272.085,205.283
  POWER+GND w0.6: JP4.9@255.829,215.875 257.607,214.097 258.477,214.097 259.867,212.706 270.383,212.706 270.905,212.706 271.704,213.506 281.885,213.506 283.838,215.458 286.009,215.458 286.034,215.433 pad.18@286.034,214.097
  Bottom Layer w0.204: R49.2@282.092,213.182 282.092,214.073 282.468,214.448 pad.16@284.157,214.448 ; 285.674,204.749 286.334,204.089 R51.2@287.985,204.089 ; pad.0@288.138,214.122 288.696,214.122 289.009,214.434 289.009,216.669 289.293,216.954 R52.2@289.738,216.954
  Bottom Layer w0.6: D4.1@250.218,211.554 250.815,212.151 250.815,212.486 254.203,215.875 JP4.9@255.829,215.875 ; pad.16@284.157,214.448 284.157,214.891 284.455,215.189 285.623,215.189 286.059,214.752 286.059,214.122 286.944,214.122 288.442,212.623 288.442,209.448 288.061,209.067 U17.2@287.033,209.067 285.623,209.067 285.394,208.839 285.394,205.359 ; U17.1@287.033,210.337 288.341,210.337
5V_USB_FS: D5.1 JP4.5 pad.19@251.358,211.582 R61.1 | length 28
  Top Layer w0.204: R61.1@243.332,205.727 243.497,205.727 244.323,206.553 245.796,206.553 245.999,206.35 248.107,206.35 248.539,205.918 248.539,205.334 248.907,204.966 250.139,204.966 250.952,205.779 250.952,211.176 pad.19@251.358,211.582
  Bottom Layer w0.6: pad.19@251.358,211.582 251.71,211.582 D5.1@251.835,211.457 251.835,212.44 253.34,213.944 260.223,213.944 260.909,214.63 JP4.5@260.909,215.875
AIN_1: pad.104@287.147,191.11 pad.105@285.242,190.83 R40.1 R41.1 U15.10 | length 4.8
  Top Layer w0.204: U15.10@284.782,191.914 284.782,191.29 pad.105@285.242,190.83 ; pad.104@287.147,191.11 R40.1@287.147,190.576 288.061,190.576 R41.1@288.087,190.602
  Bottom Layer w0.204: pad.105@285.242,190.83 286.868,190.83 pad.104@287.147,191.11
ANT: C53.1 C69.1 C70.1 C70.2 C71.1 C72.1 pad.0@225.908,174.676 pad.1@221.691,175.614 U8.2 U8.3 | length 734.4
  Top Layer w0.2: pad.1@221.691,175.615 222.056,175.615 222.054,171.916 215.984,171.916 215.984,179.316 222.456,179.316 222.454,171.516 215.584,171.516 215.584,179.716 222.856,179.716 222.854,171.115 215.184,171.115 215.184,180.115 223.256,180.115 223.254,170.716 214.784,170.716 214.784,180.516 223.656,180.516 223.654,170.316 214.384,170.316 214.39,180.913 224.056,180.916 224.054,169.916 213.984,169.916 213.984,181.316 224.456,181.316 224.454,169.516 213.584,169.516 213.584,181.716 224.856,181.716 224.854,169.115 213.184,169.115 213.184,182.115 225.256,182.115 225.254,168.716 212.784,168.716 212.784,182.516 225.656,182.516 225.656,176.657 U8.2@229.794,176.657 ; C69.1@226.797,177.825 C53.1@227.762,177.825 C70.2@227.762,176.682
  Top Layer w0.254: pad.0@225.908,174.676 225.933,174.701 225.933,175.311 225.984,175.362 C70.1@227.762,175.362 ; C72.1@226.797,174.244 227.736,174.244 C71.1@227.762,174.269 C70.1@227.762,175.362 ; C70.1@227.762,175.412 C70.1@227.762,175.362 ; U8.3@229.756,175.362 C70.1@227.762,175.362
  Bottom Layer w0.2: pad.1@221.691,175.614 222.053,175.614 ; 222.055,175.615 222.053,179.316 215.983,179.316 215.983,171.916 222.455,171.916 222.453,179.716 215.583,179.716 215.583,171.516 222.855,171.516 222.853,180.115 215.183,180.115 215.183,171.115 223.255,171.115 223.253,180.516 214.783,180.516 214.783,170.716 223.655,170.716 223.653,180.916 214.383,180.916 214.389,170.318 224.055,170.316 224.053,181.316 213.983,181.316 213.983,169.916 224.455,169.916 224.453,181.716 213.583,181.716 213.583,169.516 224.855,169.516 224.853,182.115 213.183,182.115 213.183,169.115 225.255,169.115 225.253,182.516 212.783,182.516 212.783,168.716 225.655,168.716 225.655,174.676 pad.0@225.933,174.676